# KiCad board PC110.kicad_pcb (continued)
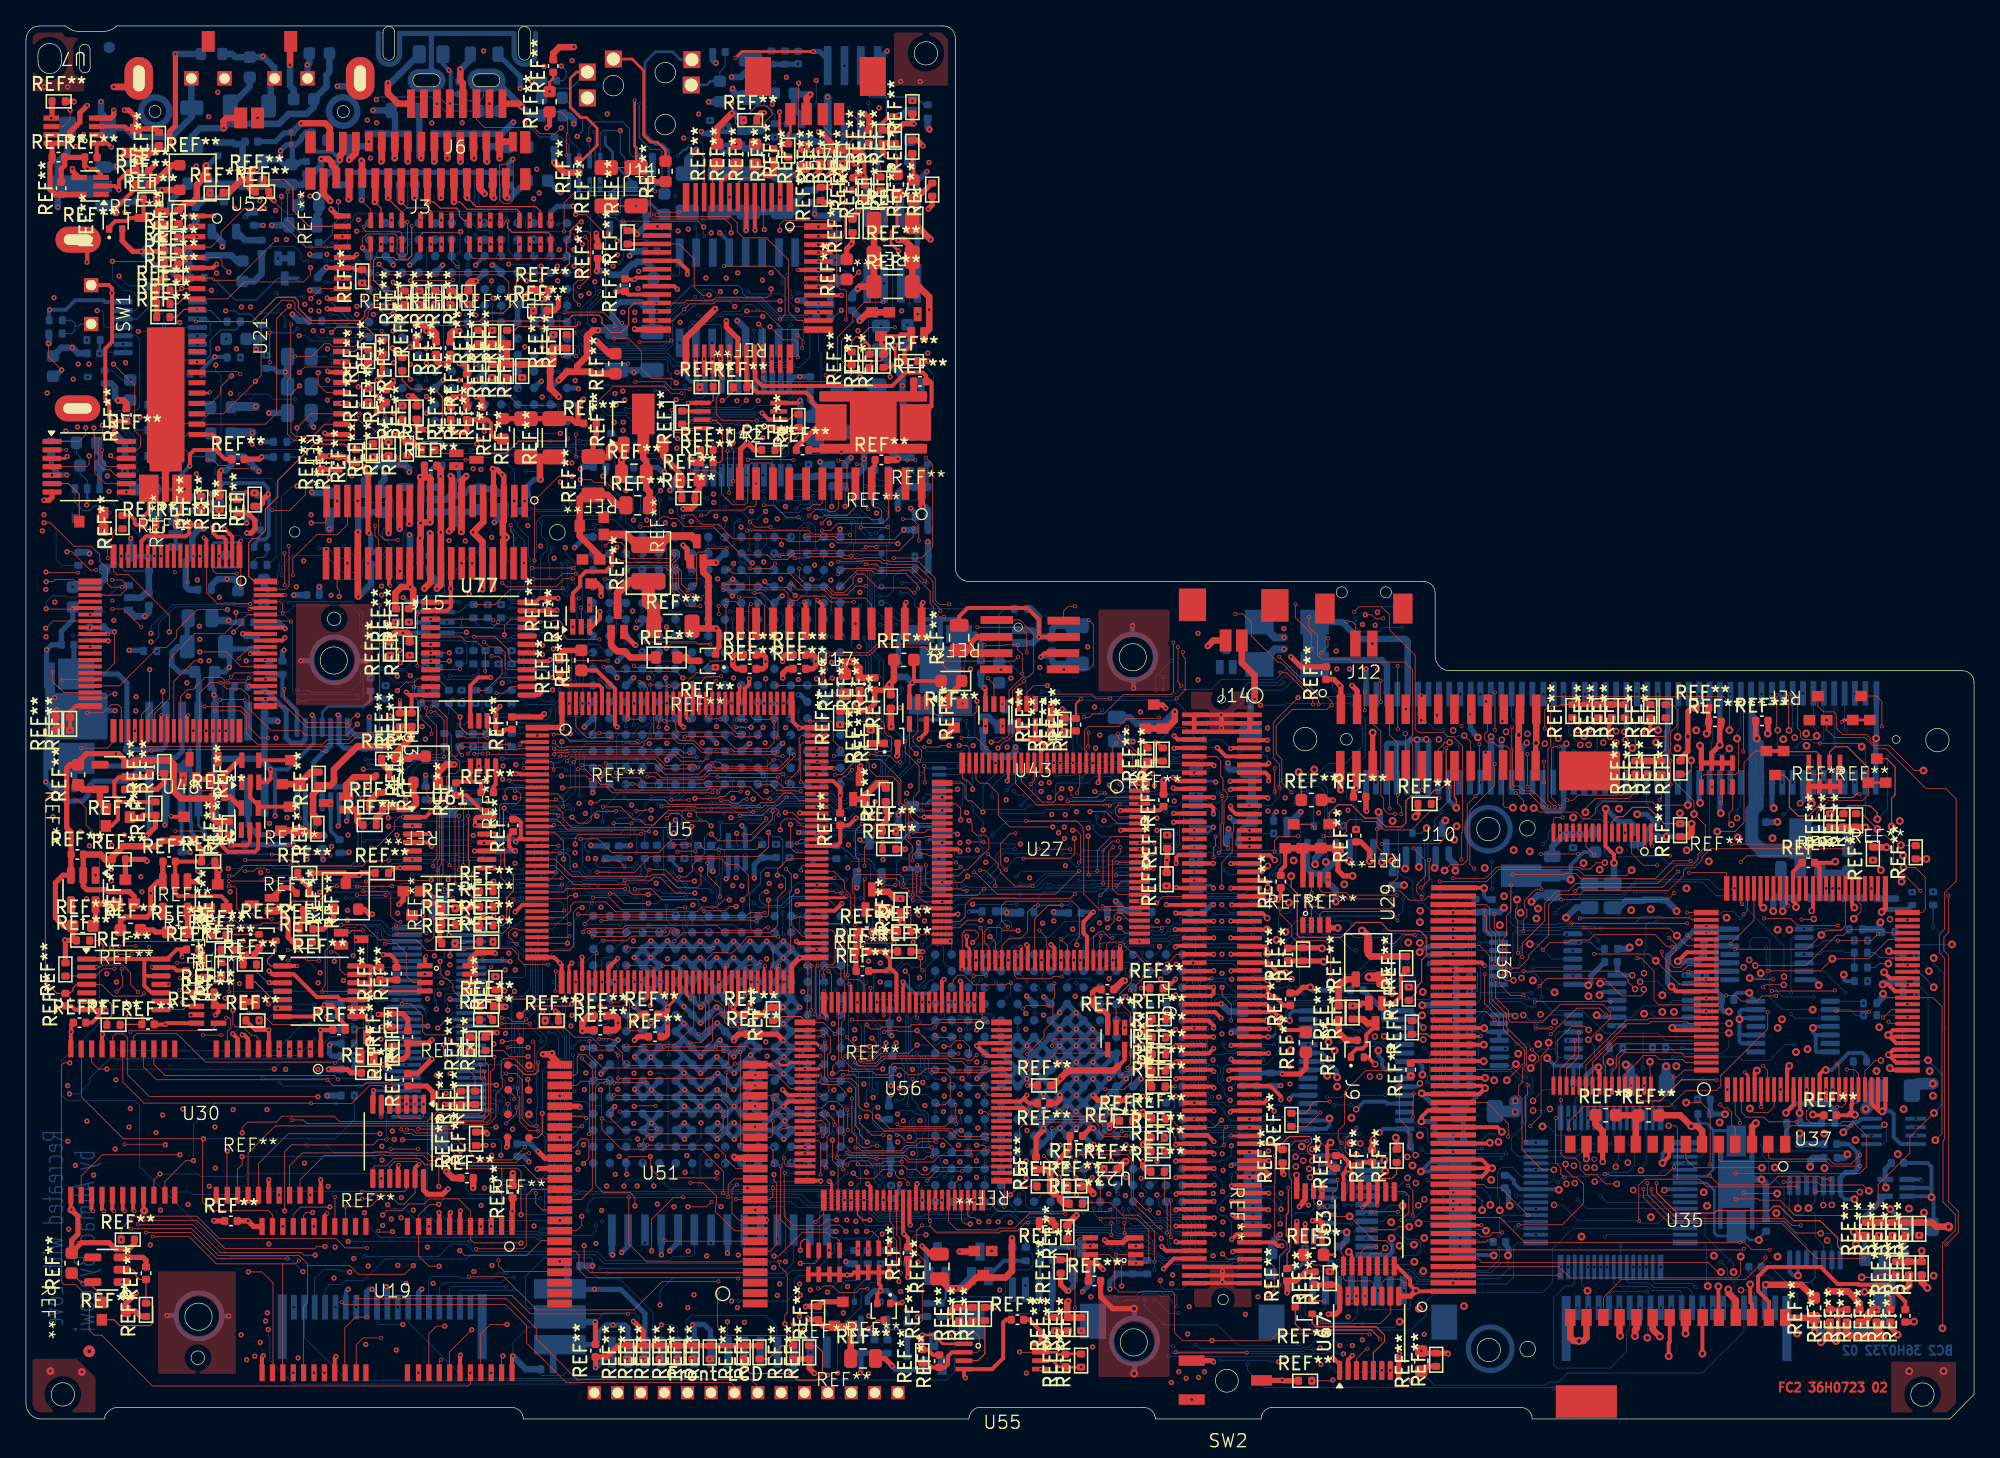
[diagram p0: board, top side]
## Routing (per net, layer and track width the routed paths; a pad name or vN(x,y) marks a point on that pad's centre or on a via; arc(x,y) is an arc through that point) (continued)
  BC1 w0.05: 58.83,66.22 58.83,67.68 58.7,67.81 58.7,68.43 58.38,68.75 58.38,69.73 58.05,70.06 58.05,70.44 58.21,70.6 58.21,71.58 57.99,71.8 57.99,74.83 58.29,75.13 58.29,76.55 57.79,77.05 55.06,77.05 54.93,76.92 v11(54.93,76.64) ; 58.83,66.22 57.5,64.89 57.5,64.08 57.3,63.88 v11(56.98,63.88) ; 58.83,66.22 58.6,65.99 ; v11(65.46,68.27) 65.44,68.25 v11(65.44,65.8) ; 49.34,43.67 48.31,43.67 48.02,43.96 46.94,43.96 46.72,43.74 46.72,43.47 47.03,43.16 v11(47.03,42.8) ; 49.34,43.67 50.66,44.99 50.66,50.46 51.49,51.29 52.08,51.29 52.55,51.76 52.55,53.76 53.06,54.27 53.65,54.27 53.78,54.4 53.78,58.28 53.78,58.13 53.78,58.89 54.06,59.17 54.57,59.17 54.89,58.85 55.92,58.85 56.25,59.18 56.58,59.18 57.6,60.2 58.9,60.2 ; 49.34,43.67 48.8,43.67 ; v11(59.88,82.97) 60.41,82.97 63.88,79.5 64.03,79.5 64.91,78.62 64.91,77.29 65.53,76.67 65.53,71.2 65.32,70.99 v11(65.32,70.56) ; v11(55.94,68.54) 55.94,68.91 55.52,69.33 55.52,69.52 55.34,69.7 55.34,70.33 55.56,70.55 55.56,71.33 55.5,71.39 55.5,71.9 55.97,72.37 55.97,73.69 54.97,74.69 54.97,75.4 54.59,75.78 54.59,77.71 54.77,77.89 v1(54.77,78.47) ; v11(56.45,16.35) 56.43,16.37 v11(56.43,19.44) ; v11(94.51,15.74) 94.92,15.32 94.92,11.01 95.32,10.61 97.9,10.61 v11(98.19,10.9) ; v11(38.57,60.91) 38.57,60.27 38.68,60.16 38.68,59.73 38.59,59.64 v11(38.59,59.42) ; v11(43.01,50) 43.41,50 45.34,51.93 45.34,52.51 v11(46.21,53.38) ; v11(65.42,89.04) 65.11,88.73 60.09,88.73 58.05,90.77 58.05,91.59 v1(58.06,91.6) ; v11(127.79,34.16) 126.71,34.16 125.12,32.57 125.12,31.09 124.3,30.27 v11(122.52,30.27) ; v11(56.33,67.24) 55.31,67.24 54.62,67.93 v11(54.62,70.71) ; v11(48.81,70.82) 47.22,70.82 47.04,71 47.04,75.23 v11(47.03,75.24) ; 52.7,100.04 52.7,100.06 v11(52.69,100.07) ; v11(30.2,78.74) 30.2,79.17 30.42,79.39 33.13,79.39 33.33,79.59 v1(33.33,80.05) ; v11(110.72,30.36) v11(109.32,30.36) ; v11(41.48,55.84) 44.88,55.84 v11(44.89,55.85) ; 9.96,47.52 9.96,47.49 ; 9.96,47.52 9.96,58.17 9.66,58.47 9.66,59.3 10.52,60.16 11.36,60.16 13.95,62.75 ; 9.96,47.52 9.96,41.77 10.27,41.46 10.27,39.66 10.01,39.4 10.01,39.11 10.02,39.1 10.02,22.08 10.01,22.07 ; v11(17.88,58) 19.25,59.37 19.25,62.87 18.36,63.76 18.36,64.16 18.63,64.43 v11(19.35,64.43) ; v1(1.53,63.92) 2.09,63.92 2.2,64.03 2.2,74.4 3.03,75.23 4.14,75.23 4.6,75.69 v1(4.6,76.39) ; v11(66.86,11.96) 66.86,9.64 v1(67.5,9) ; v11(54.47,53.53) 55.05,52.95 55.05,50.46 55.31,50.2 55.31,48.87 55.03,48.59 55.03,47.55 54.81,47.33 54.81,46.19 53.78,45.16 53.78,43.99 v11(53.4,43.61) ; v11(65.84,11.96) 66.29,11.51 66.29,9.44 v11(65.88,9.03) ; v11(61.43,68.07) 61.65,68.07 62.31,68.73 62.31,69.48 ; v11(34.65,46.73) 34.65,50.07 33.84,50.88 v11(33.84,52.82) ; v11(38.32,59.79) 38.32,60.66 38.2,60.78 v11(38.2,61.22) ; v11(41.17,22.92) 42.1,22.92 42.27,22.75 44.24,22.75 47.15,19.84 v11(47.52,19.84) 47.52,20.37 47.65,20.5 47.65,21.03 v1(47.11,21.57) ; v1(27.39,63.49) 27.39,62.54 26.88,62.03 26.88,58.02 26.54,57.68 v11(26.54,57.12) ; v11(45.5,49.35) 45.26,49.11 45.26,45.97 v11(44.8,45.51) ; v5(116.66,31.18) 116.66,31.81 116.72,31.87 v11(116.72,32.51) ; v11(40.65,33.66) 40.65,37.06 41.36,37.77 41.36,40.04 40.81,40.59 40.81,47.49 v11(41.23,47.91) ; v11(67.34,50.32) 65.99,50.32 65.55,50.76 64.05,50.76 63.41,50.12 62.44,50.12 62.15,49.83 62.15,48.03 62.88,47.3 62.88,46.74 62.69,46.55 62.69,44.7 62.93,44.46 62.93,43.96 63.1,43.79 63.46,43.79 63.63,43.62 63.63,43.09 63.46,42.92 63.14,42.92 62.85,42.63 62.85,40.35 63.29,39.91 63.29,38.09 62.28,37.08 62.28,33.22 v11(62.43,33.07) ; v11(31.33,56.84) 31,56.51 30.64,56.51 30.34,56.21 30.34,54.33 30.19,54.18 v11(30.19,53.87) ; v11(61.24,78.95) 60.68,78.39 60.68,75.57 60.96,75.29 64.14,75.29 65.06,74.37 65.06,71.49 64.81,71.24 64.81,69.42 65.28,68.95 65.76,68.95 66.15,68.56 66.15,64.96 66.59,64.52 66.59,62.04 66.5,61.95 66.5,60.83 65.86,60.19 v11(64.58,60.19) 64.57,60.2 v11(62.91,60.2) ; v11(129.38,33.5) 129.9,32.98 129.9,26.12 130.21,25.81 133.54,25.81 133.74,25.61 v11(133.74,21.07) ; v11(27.65,82.58) 26.5,82.58 25.92,83.16 v1(25.92,86.4) ; v11(65.79,61.21) 62.63,61.21 62.43,61.01 62.43,59.65 61.93,59.15 60.7,59.15 60.2,58.65 v11(60.2,56.65) ; v11(39.24,85.74) 47.38,85.74 47.71,85.41 47.71,73.2 48.77,72.14 50.15,72.14 50.96,71.33 51.43,71.33 51.69,71.07 51.69,68.33 51.66,68.3 51.66,63.46 v11(51.65,63.45) ; v11(67.81,61.92) 67.81,56.61 v11(67.47,56.27) ; v11(37.69,67.14) 38.36,67.14 39.13,67.91 39.71,67.91 v11(40.49,67.13) ; 59.52,68.57 59.42,68.67 59.42,69.49 59.84,69.91 59.84,70.61 59.64,70.81 ; 59.52,68.57 59.52,64.53 59.8,64.25 60.28,64.25 60.45,64.08 v11(60.82,64.08) ; 59.52,68.57 59.52,68.29 ; v11(41.9,54.41) 41.9,53.92 41.67,53.69 41,53.69 40.39,53.08 40.39,38.96 40.46,38.89 40.46,38.59 v11(40.48,38.57) ; v11(34.57,57.27) 34.57,56.78 35.99,55.36 35.99,54.72 36.31,54.4 36.31,51.27 v13(36.69,50.89) ; v11(67.13,52.12) 66.48,52.12 66.21,51.85 63.06,51.85 62.98,51.93 58.98,51.93 58.88,51.83 ; 63.48,79.47 63.7,79.25 ; 63.48,79.47 64.4,78.55 64.4,77.41 65.32,76.49 65.32,75.7 65.32,76.15 65.32,71.34 65.01,71.03 65.01,69.65 65.53,69.13 65.92,69.13 66.35,68.7 66.35,65.08 ; 63.48,79.47 59.39,79.47 59.25,79.61 59.03,79.61 58.91,79.73 58.91,80.76 57.86,81.81 57.86,83.62 v1(57.31,84.17) ; v11(59.5,45.84) 58.86,45.2 58.86,44.07 58.32,43.53 56.15,43.53 55.43,44.25 54.25,44.25 54.16,44.16 54.16,43.51 53.66,43.01 52.66,43.01 51.96,43.71 50.05,43.71 49.56,43.22 48.24,43.22 47.51,42.49 v11(46.78,42.49) 46.78,40.49 46.77,40.48 46.77,38.2 v11(47.37,37.6) ; v11(119.14,34.14) 120.73,35.73 120.73,42.99 120.86,43.12 120.86,52.7 v5(120.43,53.13) ; v11(49.41,85.53) 49.41,85.52 49.79,85.14 50.8,85.14 51.01,84.93 51.01,84.01 48.94,81.94 48.94,78.48 50.72,76.7 50.72,73.79 51.1,73.41 51.1,73.4 ; v11(56.33,62.18) 57.09,61.42 61.25,61.42 ; v11(46.41,36.18) 48.69,36.18 v1(49.41,35.46) ; v1(52.98,70.63) 53.67,70.63 v11(53.97,70.93) 53.97,71.59 53.85,71.71 53.85,73.93 52.32,75.46 52.32,78.99 52.08,79.23 52.08,80.48 52.32,80.72 52.32,81.8 52.12,82 52.12,85.13 51.92,85.33 50.05,85.33 48.99,86.39 46.03,86.39 45.75,86.11 42.4,86.11 41.69,86.82 v11(40.38,86.82) ; v11(40.39,78.77) 40.39,78.19 40.78,77.8 v11(43.31,77.8) ; 62.31,69.48 61.63,69.48 61.18,69.03 60.66,69.03 60.05,69.64 60.05,70.7 59.82,70.93 59.82,76.45 v11(59.14,77.13) ; 62.31,69.48 62.43,69.48 63.1,68.81 63.1,68.63 63.26,68.47 64.31,68.47 64.62,68.78 65.61,68.78 65.98,68.41 65.98,64.83 66.43,64.38 66.43,62.91 66.29,62.77 v11(66.29,62.39) ; v11(102.06,24.2) 102.06,32.23 103.2,33.37 105.35,33.37 105.71,33.01 v11(105.71,32.32) ; v11(64.69,33.61) 63.99,33.61 63.28,34.32 63.28,35.51 63.48,35.71 v11(63.48,36.1) ; 73.54,12.83 73.48,12.89 v13(73.48,12.9) ; v5(117.74,30.6) 117.74,29.24 118.13,28.85 119.03,28.85 119.14,28.96 119.78,28.96 120.17,28.57 v11(123,28.57) 125.23,28.57 v11(125.28,28.62) ; v11(48.07,52.63) 48.42,52.63 48.54,52.75 48.92,52.75 49.07,52.6 49.07,52.31 49.01,52.25 49.01,45.02 ; v11(61.45,33.43) 61.45,31.65 61.72,31.38 62.84,31.38 62.99,31.23 62.99,30.43 62.47,29.91 62.47,28.86 62.9,28.43 63.44,28.43 64.37,27.5 64.37,26.81 63.91,26.35 63.91,24.91 63.67,24.67 63.67,24.34 62.74,23.41 62.74,17.89 63.92,16.71 v1(63.92,15.23) ; v11(49.34,39.56) 49.34,40.03 49.42,40.11 49.42,41.59 49.72,41.89 50.62,41.89 50.84,42.11 51.06,42.11 51.31,42.36 v1(51.99,42.36) ; v1(46.82,22.78) 46.28,22.24 46.28,21.18 46.57,20.89 v11(47.33,20.89) ; v1(54.7,39.49) 54.69,39.48 54.69,38.82 55.32,38.19 v11(56.34,38.19) ; v11(51.62,78.34) 51.62,78.69 51.31,79 51.31,80.67 51.6,80.96 v11(51.6,81.33) ; 64.54,27.82 64.55,27.81 ; 64.54,27.82 64.58,27.78 64.58,26.37 65.73,25.22 65.73,24.67 65.25,24.19 65.25,20.45 64.33,19.53 64.33,14.81 v1(63.98,14.46) ; 64.54,27.82 64.33,28.03 64.33,30.45 65.23,31.35 65.23,31.72 64.82,32.13 62.21,32.13 61.93,32.41 61.93,33.99 61.57,34.35 v11(60.21,34.35) ; v11(121.12,36.88) 122.21,36.88 123.28,35.81 124.16,35.81 125.96,37.61 125.96,41.8 127.41,43.25 129,43.25 129.72,43.97 129.72,48.81 131.33,50.42 138.75,50.42 141.04,52.71 141.04,55.75 v11(140.88,55.91) ; v11(52.92,67.25) 52.92,66.89 52.62,66.59 52.47,66.59 52.04,66.16 52.04,64.33 52.92,63.45 52.92,61.81 53.39,61.34 54.3,61.34 v11(54.73,60.91) ; v11(48.11,53.99) 48.66,53.99 48.97,54.3 49.34,54.3 50.44,55.4 v11(50.44,55.86) ; v1(31.46,35.69) 31.46,38.31 31.72,38.57 31.72,42.26 v11(31.7,42.28) ; v11(36.36,89.54) 35.38,89.54 35.19,89.35 31.25,89.35 v1(29.62,87.72) ; v11(39.24,83.31) 39.43,83.5 42.45,83.5 43.32,82.63 44.35,82.63 46.37,84.65 v1(46.89,84.65) ; 59.64,70.81 59.64,75.86 59.64,74.7 59.64,76.13 58.75,77.02 58.75,80.41 ; 59.64,70.81 59.79,70.66 ; v11(65.19,55.32) 65.62,55.75 68.01,55.75 68.68,56.42 68.68,57.84 68.14,58.38 v11(68.14,61.51) ; v1(6.92,26.14) 6.92,26.18 6.93,26.19 6.93,31.27 3.62,34.58 3.62,43.64 5.03,45.05 5.03,59.4 5.24,59.61 5.24,62.49 v11(3.61,64.12) ; v11(48.69,74.02) 48.7,74.01 49.6,74.01 50.16,73.45 50.16,73.05 v11(50.99,72.22) 51.9,71.31 51.9,68.72 53.35,67.27 53.35,66.84 v11(52.52,66.01) ; v3(123.68,42.29) 123.68,44.61 122.19,46.1 122.19,49.45 124.23,51.49 124.23,52.07 123.61,52.69 123.61,56 123.92,56.31 127.63,56.31 v11(128.08,55.86) ; v11(42.97,37.48) 43.3,37.15 43.3,33.05 42.86,32.61 41.71,32.61 41.59,32.49 41.59,31.76 41.8,31.55 42.69,31.55 43.84,30.4 v11(44.13,30.4) ; v1(52.96,71.27) 52.95,71.28 52.95,71.83 51.58,73.2 51.58,74.16 50.89,74.85 50.89,76.88 49.3,78.47 v11(49.3,79.64) ; v11(50.3,70.96) 50.33,70.93 v11(51.36,70.93) ; v11(50.88,85.84) 51.51,86.47 v11(51.53,86.47) ; v11(37.22,45.21) 36.77,45.21 36.28,44.72 36.28,42.82 v1(34.94,41.48) ; v11(43.01,52.32) 42.67,52.66 42.66,52.66 42.66,53.1 42.59,53.17 42.59,53.75 43.31,54.47 44.42,54.47 44.52,54.57 v11(44.9,54.57) ; v1(61.88,69.04) 61.55,68.71 v11(60.28,68.71) ; v11(50.36,40.77) 50.36,38.11 50.61,37.86 51.03,37.86 v11(51.34,38.17) ; v11(52.01,46.12) 52.01,48.25 v11(52.04,48.28) ; v11(58.81,43.26) 58.57,43.02 54.87,43.02 54.47,43.42 v11(54.47,44.04) ; v11(35.42,79.26) 35.74,78.94 35.74,77.14 35.92,76.96 35.92,74.87 37.63,73.16 37.63,68.99 37.79,68.83 37.79,68.29 37.69,68.19 37.69,67.8 v11(37.68,67.79) ; v1(6.76,61.54) 7.74,61.54 8.63,62.43 8.63,64.9 9.96,66.23 9.96,69.85 9.57,70.24 9.57,74.82 8.28,76.11 8.28,79.16 8.54,79.42 8.54,80.83 8.12,81.25 8.12,84.16 8.46,84.5 v1(11.83,84.5) ; v11(18.62,63.92) 19.46,63.08 19.46,58.2 21.27,56.39 21.27,55.19 21,54.92 17.39,54.92 16.03,53.56 16.03,41.54 15.73,41.24 v1(15.73,40.63) ; 58.9,60.2 58.9,60.96 v11(58.89,60.97) ; 58.9,60.2 v11(60.81,60.2) ; v11(38.22,62.2) 39.17,62.2 39.47,61.9 41.12,61.9 41.14,61.92 41.82,61.92 42.21,61.53 47.03,61.53 47.45,61.11 v11(47.45,59.17) ; v1(6.81,76) 6.81,75.98 ; 61.25,61.42 61.25,60.11 60.99,59.85 60.13,59.85 59.98,60 57.84,60 56.74,58.9 56.33,58.9 56.1,58.67 55.49,58.67 55.06,58.24 55.06,54.81 v11(54.47,54.22) ; 61.25,61.42 61.89,61.42 62.08,61.61 64.58,61.61 65.27,62.3 65.27,63.52 v11(65.89,64.14) ; v11(55.72,59.12) 55.47,59.37 53.55,59.37 52.88,58.7 v11(52.88,57.2) ; v11(59.86,64.72) 59.86,67.06 60.25,67.45 61.57,67.45 61.88,67.76 63.95,67.76 64.75,68.56 65.56,68.56 65.77,68.35 65.77,64.67 66.24,64.2 66.24,63.24 v11(65.89,62.89) ; v11(52.28,63.44) 52.28,60.39 52.27,60.38 ; v11(103.19,20.79) 103.19,19.93 103.24,19.88 103.24,15.78 v11(103.25,15.77) ; v11(58.23,66.6) 58.61,66.98 58.61,67.59 58.46,67.74 58.46,68.2 57.43,69.23 v1(56.99,69.23) ; v1(68.12,48.79) 67.51,49.4 64.19,49.4 64.08,49.29 v11(63.66,49.29) ; v11(41.11,54.5) 40.87,54.5 40.71,54.66 v11(40.39,54.66) ; v11(36.58,81.73) 36.86,81.73 36.98,81.61 40.2,81.61 40.32,81.49 42.41,81.49 43.9,80 v1(43.9,79.5) ; 51.09,73.41 51.1,73.4 ; 51.1,73.4 51.1,73.19 v11(52.19,72.1) ; v1(51.65,97.82) 52.08,97.39 54.29,97.39 v11(55.08,98.18) ; v11(44.81,71.84) 45.63,71.02 46.51,71.02 46.67,71.18 46.67,72.71 46.4,72.98 v11(46.4,73.91) ; v11(146.91,37.87) 146.36,37.32 146.36,34.73 v3(146.57,34.52) ; v11(41.03,58.39) 41.05,58.37 v11(43.6,58.37) ; 58.75,80.41 55.52,83.64 56.16,83 55.48,83.68 55.48,84.8 54.59,85.69 v1(54.59,85.73) ; 58.75,80.41 58.75,80.12 ; 62.55,22.31 60.7,24.16 58.87,24.16 58.55,24.48 58.17,24.48 57.9,24.21 v11(57.08,24.21) ; 62.55,22.31 62.55,17.12 63.23,16.44 v1(63.23,15.34) ; 62.55,22.31 62.55,22.2 ; v11(47.04,40.19) 47.04,41.97 47.19,42.12 48.24,42.12 48.41,42.29 49.31,42.29 49.45,42.15 v11(49.76,42.15) ; v1(42.03,31.98) 42.48,32.43 42.85,32.43 43.22,32.06 43.22,31.64 43.51,31.35 43.74,31.35 43.92,31.17 v11(44.31,31.17) ; v11(72.39,59.11) 71.76,59.11 68.6,62.27 68.6,65.91 68.94,66.25 68.94,68.43 69.73,69.22 69.73,78.9 v11(68.05,80.58) ; v11(37.69,90.67) 36.86,89.84 34.64,89.84 34.33,89.53 30.87,89.53 29.68,88.34 29.02,88.34 v1(28.28,87.6) ; v3(107.28,8.5) 104.42,8.5 103.58,9.34 103.58,10.46 104.03,10.91 109.02,10.91 111.14,13.03 111.14,14.46 110.05,15.55 110.05,26.11 108.98,27.18 106.37,27.18 105.11,28.44 105.11,29.91 104.34,30.68 v11(103.58,30.68) ; v3(102.01,21.25) 102.01,19.91 102.63,19.29 102.63,14.16 102.89,13.9 v11(103.23,13.9) ; 58.56,61.22 58.56,60.64 58.33,60.41 57.47,60.41 56.62,59.56 52.42,59.56 51.61,58.75 51.61,53.54 50.81,52.74 50.36,52.74 50.04,52.42 50.04,49.04 49.39,48.39 49.39,44.56 49.27,44.44 47.12,44.44 46.93,44.63 46.45,44.63 46.08,44.26 46.08,41.32 v11(46.07,41.31) ; 58.56,61.22 56.15,61.22 55.3,62.07 55.3,66.57 54.43,67.44 54.43,69.54 54.3,69.67 54.3,71.06 54.98,71.74 54.98,73.79 53.22,75.55 52.99,75.55 52.5,76.04 52.5,79.06 52.26,79.3 52.26,80.3 52.52,80.56 52.52,81.9 52.34,82.08 52.34,85.22 52.04,85.52 50.32,85.52 49.22,86.62 45.88,86.62 45.71,86.45 v11(44.39,86.45) ; 58.56,61.22 59.95,61.22 v11(60.17,61) ; v11(110.48,55.86) 109.81,55.86 107.96,54.01 106.91,54.01 104.58,56.34 104.58,59.08 103.49,60.17 103.49,61.64 v1(103.16,61.97) ; v11(8.03,80.07) 8.03,79.71 7.96,79.64 v11(7.96,77.33) ; v11(108.89,34.56) 109.26,34.93 109.26,36.22 109.7,36.66 v11(111.95,36.66) ; v11(19.96,84.22) 19.96,83.89 21.46,82.39 21.46,75.43 20.87,74.84 v1(20.87,71.89) ; v11(28.17,70.83) 28.17,71.93 28.77,72.53 28.77,73.48 28.72,73.53 28.72,74.17 v11(28.96,74.41) ; v11(51.47,85.85) 52.09,86.47 v11(52.09,86.48) ; 46.52,49.74 46.38,49.88 46.38,51.18 46.47,51.27 46.47,52.74 46.63,52.9 49.02,52.9 49.11,52.81 49.56,52.81 50,53.25 50,53.83 51.23,55.06 51.23,59.59 52.02,60.38 52.27,60.38 ; 46.52,49.74 46.52,48.81 45.66,47.95 45.66,45.74 45.45,45.53 45.45,42.19 45.26,42 v11(45.26,36.84) ; 46.52,49.74 46.52,49.33 ; v11(145.55,21.84) 145.51,21.8 145.51,16.58 v3(146.19,15.9) ; 52.27,60.38 52.65,60.38 52.84,60.19 56.83,60.19 57.25,60.61 57.89,60.61 57.98,60.7 v11(58.23,60.7) ; v11(39.64,13.85) v11(39.64,14.65) ; v11(51.26,65.96) 50.17,67.05 50.17,68.13 50.32,68.28 50.32,69.32 v1(49.7,69.94) ; v11(121.88,29.08) 121.88,29.63 122.01,29.76 v11(122.01,31.54) ; v3(130.27,45.27) 130.28,45.26 130.28,42.39 130.12,42.23 130.12,39.33 128.58,37.79 128.58,30.37 128.93,30.02 128.93,25.45 128.35,24.87 128.35,24.02 128.94,23.43 128.94,18.53 129.23,18.24 v3(129.23,17.47) ; v11(35.57,62.76) 35.12,62.76 35.07,62.71 33.59,62.71 v11(33.33,62.97) ; v3(134.53,44.76) 134.53,42.21 136.96,39.78 136.96,38.63 137.53,38.06 137.53,34.71 139.41,32.83 139.41,26.12 140.23,25.3 144.85,25.3 145.28,24.87 145.28,23.41 v11(145.55,23.14) ; v11(39.77,78.12) 40.33,77.56 42.69,77.56 42.76,77.49 43.54,77.49 44.85,76.18 v1(45.99,76.18) ; v11(58.99,19.82) 58.57,20.24 57.22,20.24 56.78,19.8 56.78,16.05 55.93,15.2 44.39,15.2 v11(44.37,15.22) ; v11(76.32,50.1) 74.57,50.1 73.54,51.13 73.54,51.17 73.49,51.22 73.49,52.39 72.85,53.03 v11(71.92,53.03) ; v11(62.74,60.96) 65.32,60.96 v11(65.39,60.89) ; v11(41.14,40.9) 41.58,40.46 41.58,37.6 41.28,37.3 41.28,35.91 41.57,35.62 41.57,33.62 42.12,33.07 v11(42.86,33.07) ; v11(18.06,85.23) 18.06,88.07 v11(19.43,89.44) ; v11(61.18,45.53) 61.18,42.43 61.12,42.37 61.12,37.19 v11(61.52,36.79) ; v11(12.64,80.56) 12.64,81.31 13.21,81.88 v11(13.21,82.17) 12.97,82.17 12.71,82.43 12.71,83.19 12.99,83.47 v11(13.21,83.47) ; v11(51.07,51.39) 50.46,50.78 50.46,45.1 49.29,43.93 v11(48.91,43.93) ; v11(49.12,41.97) 49.12,39.84 48.77,39.49 v11(48.77,37.65) ; v11(44.93,64.79) 43.97,64.79 43.96,64.79 v11(40.35,64.79) ; 68.82,50.65 66.06,50.65 65.44,51.27 61.81,51.27 v11(61.49,51.59) ; 68.82,50.65 69.71,49.76 68.82,50.65 ; 68.82,50.65 69.72,49.75 69.72,45.69 68.91,44.88 67.75,44.88 66.94,44.07 v11(66.94,43.53) ; v11(23.24,98.55) 23.23,98.54 23.23,94.87 24.07,94.03 v1(24.07,93.81) ; v11(111.19,34.05) 110.87,34.05 110.73,33.91 v11(109.12,33.91) ; v1(6.62,86.78) 11.2,86.78 v11(13.21,84.77) ; v11(59.56,79.74) 59.19,80.11 59.19,80.83 59.37,81.01 59.37,82.87 59.83,83.33 60.69,83.33 v1(62.8,85.44) ; v1(100.66,3) 100.66,3.95 100.25,4.36 100.25,5.02 100.79,5.56 100.79,8.77 100.48,9.08 v11(100.48,11.99) ; v11(53.45,44.09) 53.45,45.34 53.79,45.68 53.79,46.2 53.72,46.27 v11(53.72,46.66) ; v11(54.42,61.65) 53.65,61.65 53.1,62.2 53.1,63.54 52.25,64.39 52.25,65.08 52.52,65.35 53.08,65.35 53.64,65.91 53.64,67.32 52.07,68.89 52.07,71.6 50.71,72.96 50.52,72.96 50.35,73.13 50.35,73.61 48.44,75.52 v11(48.44,79.28) ; v11(41.67,86.34) 42.11,85.9 48.49,85.9 49.46,84.93 50.63,84.93 50.8,84.76 50.8,84.07 48.73,82 48.73,75.59 50.52,73.8 50.52,73.64 50.65,73.51 v11(50.65,73.3) ; v1(21.94,85.44) 21.35,85.44 20.94,85.85 20.94,87.43 21.04,87.53 v11(21.04,87.77) ; v11(39.22,59.71) 39.22,58.61 39.76,58.07 41.54,58.07 41.9,57.71 v11(45.97,57.71) ; v11(39.12,81.29) 42.15,81.29 43.36,80.08 43.36,79.55 44.38,78.53 v1(46.12,78.53) ; v11(49.14,72.42) 49.14,72.44 48.69,72.89 48.69,73.41 v11(49,73.72) 48.98,73.74 48.32,73.74 48.1,73.96 v11(48.1,75.69) ; v11(40.39,82.56) 40.62,82.79 v11(42.68,82.79) ; v11(100.23,16.39) 99.86,16.01 99.86,10.28 99.52,9.94 99.52,5.99 99.17,5.64 v11(99.17,5.34) ; 66.35,65.08 66.79,64.64 66.79,61.65 66.69,61.55 66.69,60.85 67.08,60.46 67.08,59.02 66.72,58.66 65.86,58.66 65.53,58.99 64.12,58.99 64.02,59.09 62.67,59.09 62.55,58.97 60.86,58.97 60.38,58.49 60.38,58.13 61.3,57.21 61.3,56.75 60.82,56.27 58.09,56.27 57.64,55.82 v11(57.64,55.39) ; 66.35,65.08 66.43,65 ; v11(42.3,51.48) 42.3,52.09 42.44,52.23 42.44,53.14 42.39,53.19 42.39,53.93 42.4,53.93 42.64,54.17 v11(42.64,54.53) ; v11(34.74,73.95) 35.14,73.95 35.43,73.66 v11(36.32,73.66) ; v11(31.88,45.68) 31.88,57.35 31.31,57.92 v11(30.77,57.92) ; v11(66.12,51.36) 65.89,51.59 v11(62.75,51.59) ; v11(54.23,62.23) 53.83,62.23 53.29,62.77 53.29,64.73 v1(53.28,64.74) ; v11(69,83.63) 69,96.59 69.24,96.83 v1(69.55,96.83) ; v11(65.23,25.31) 64.83,25.31 63.95,24.43 63.95,21.16 63.22,20.43 63.22,19.97 63.73,19.46 v1(63.73,18.94) ; v11(47.04,76.9) 47.04,79.41 46.07,80.38 44.56,80.38 v11(44.08,80.86) ; v11(30.2,46.75) 30.2,50.15 31,50.95 31.13,50.95 31.53,51.35 v11(31.53,54.41) ; v11(38.43,54.08) 38.43,55.02 v11(38.47,55.06) ; v11(36.94,57.43) 37.23,57.14 v11(37.23,56.82) ; v11(44.96,26.19) 44.53,26.19 44.48,26.14 38.68,26.14 v1(38.65,26.17) ; v11(32.65,57.26) 31.82,58.09 v11(31.82,58.94) ; 42.17,36.75 42.17,36.83 ; 42.17,36.75 42.17,37.2 41.89,37.48 41.89,41.22 40.99,42.12 40.99,46.21 41.24,46.46 41.24,46.77 v11(41.03,46.98) ; 42.17,36.75 42.17,35.54 v11(42.65,35.06) ; v11(6.7,70.62) 6.07,70.62 4.86,71.83 v1(4.86,74.22) ; v11(46.24,28.76) 46.22,28.78 46.22,32.99 v11(46.23,33) ; v1(41.98,30.29) 41.42,30.29 41.17,30.54 41.17,32.1 40.12,33.15 40.12,39.28 40.2,39.36 40.2,53.19 40.9,53.89 41.2,53.89 41.59,54.28 41.59,54.83 41.7,54.94 41.99,54.94 42.09,55.04 42.39,55.04 42.48,54.95 46.44,54.95 46.81,55.32 48.85,55.32 48.94,55.41 48.94,56.2 48.66,56.48 48.66,58.53 48.37,58.82 48.37,63.22 47.85,63.74 v11(47.85,67.2) ; v11(57.6,71.38) v11(57.6,74.45) ; v11(131.49,40.81) 131.93,41.25 131.93,43.13 134.13,45.33 135.12,45.33 135.38,45.59 v11(135.38,46.57) ; 49.01,45.02 49.01,44.96 48.84,44.79 47.82,44.79 47.47,45.14 46.18,45.14 45.63,44.59 45.63,41.97 45.46,41.8 45.46,36.41 46.03,35.84 46.03,35.16 45.87,35 v11(45.6,35) ; 49.01,45.02 49.01,44.98 ; v11(59.1,64.02) 59.3,64.02 59.45,63.87 59.7,63.87 60.78,62.79 64.13,62.79 v11(64.24,62.68) ; v3(128.26,50.75) 128.26,51.66 127.82,52.1 126.95,52.1 126.7,52.35 126.7,53.11 128.88,55.29 v11(128.88,55.86) ; v1(39.67,88.84) 38.68,88.84 38.39,89.13 38.39,90.93 38.09,91.23 37.17,91.23 v11(36.55,90.61) ; v11(58.91,62.24) 58.48,62.67 56.9,62.67 56.1,63.47 56.1,64.99 56.42,65.31 56.42,66.37 56.67,66.62 56.67,67.75 56.4,68.02 55.95,68.02 